# KiCad board Smart LED WS2812B Ring7.kicad_pcb (continued)
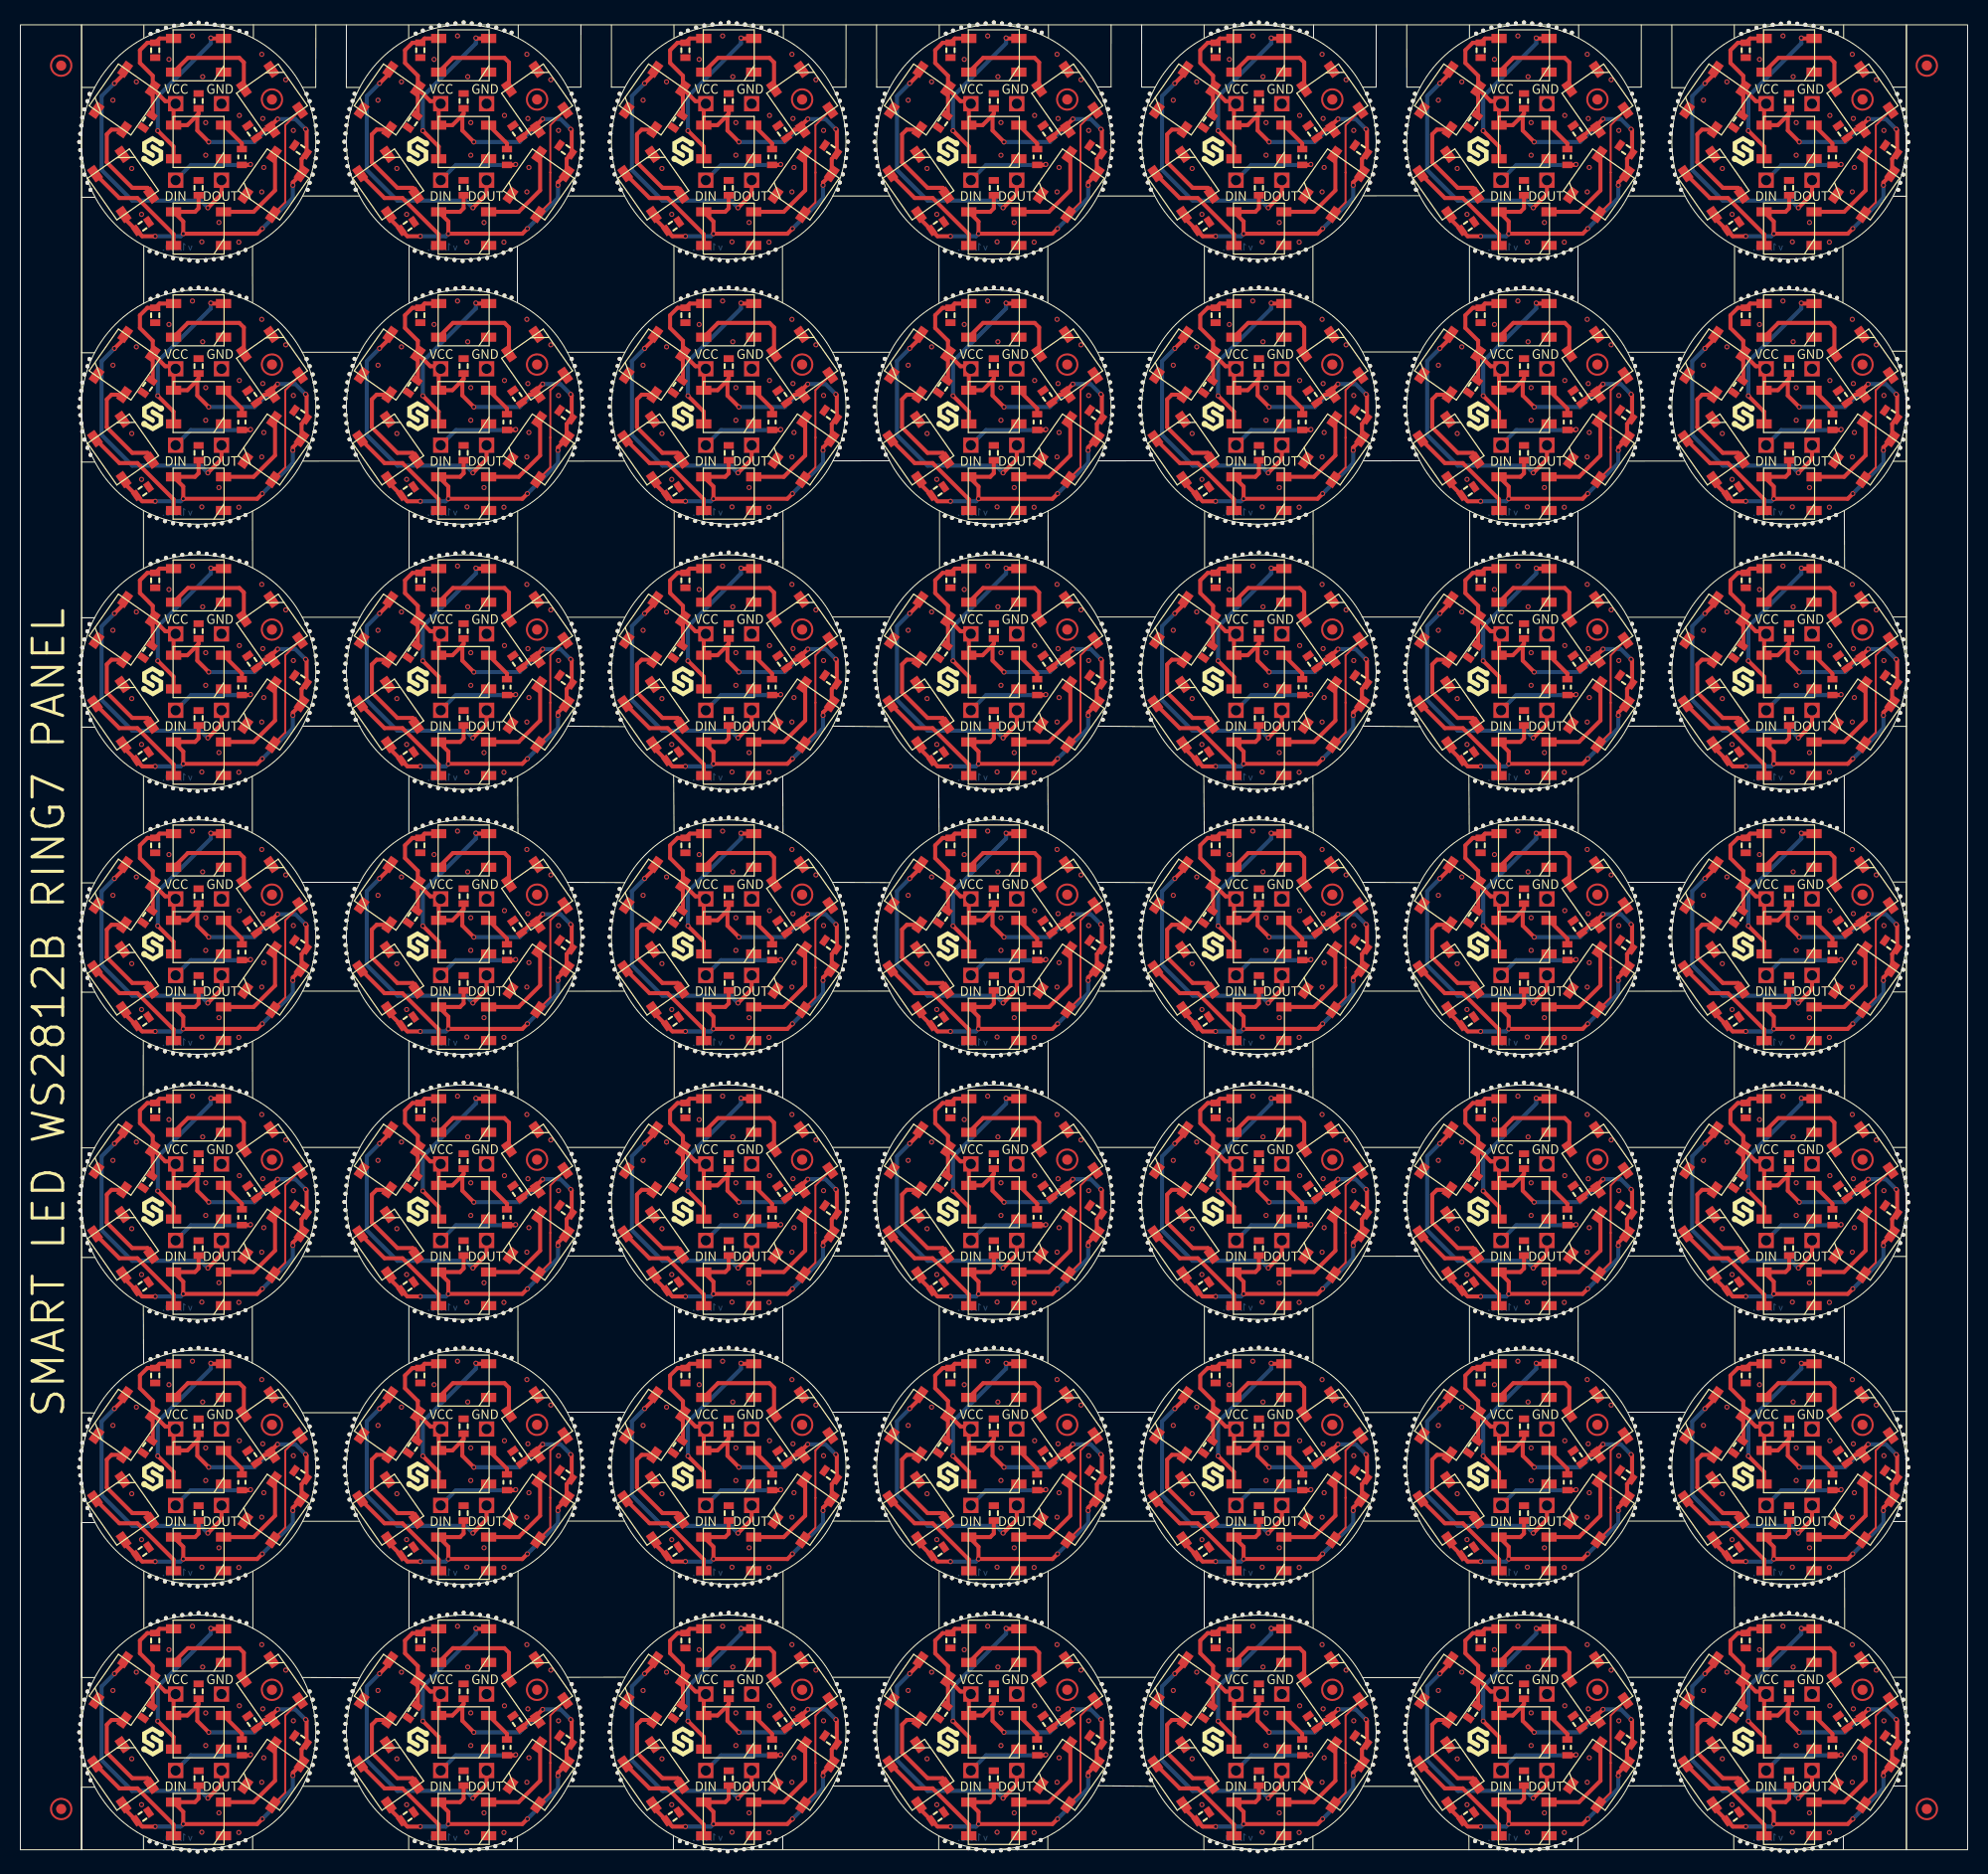
[diagram p0: board, top side]
## Placement (name value [footprint] x y rotation side) (continued)
REF**#1025  -  [HOLE_0.5mm]  119.88 101.06 90 top
REF**#1026  -  [HOLE_0.5mm]  58.08 87.16 180 top
REF**#1027  -  [HOLE_0.5mm]  117.38 26.66 270 top
REF**#1028  -  [HOLE_0.5mm]  170.18 52.33 270 top
REF**#1029  -  [HOLE_0.5mm]  20.58 156.33 270 top
REF**#1030  -  [HOLE_0.5mm]  54.38 163.56 0 top
REF**#1031  -  [HOLE_0.5mm]  136.07 87.16 180 top
REF**#1032  -  [HOLE_0.5mm]  17.38 103.83 270 top
REF**#1033  -  [HOLE_0.5mm]  32.28 118.76 180 top
REF**#1034  -  [HOLE_0.5mm]  122.18 103.96 270 top
REF**#1035  -  [HOLE_0.5mm]  173.38 51.83 270 top
REF**#1036  -  [HOLE_0.5mm]  162.78 172.23 180 top
REF**#1037  -  [HOLE_0.5mm]  185.18 89.53 0 top
REF**#1038  -  [HOLE_0.5mm]  174.28 49.13 90 top
REF**#1039  -  [HOLE_0.5mm]  125.47 178.46 90 top
REF**#1040  -  [HOLE_0.5mm]  172.57 129.94 270 top
REF**#1041  -  [HOLE_0.5mm]  18.97 78.03 270 top
REF**#1042  -  [HOLE_0.5mm]  132.97 91.16 0 top
REF**#1043  -  [HOLE_0.5mm]  84.57 111.56 180 top
REF**#1044  -  [HOLE_0.5mm]  106.38 85.56 0 top
REF**#1045  -  [HOLE_0.5mm]  66.97 104.16 270 top
REF**#1046  -  [HOLE_0.5mm]  83.97 139.96 180 top
REF**#1047  -  [HOLE_0.5mm]  135.88 10.76 180 top
REF**#1048  -  [HOLE_0.5mm]  98.57 52.36 270 top
REF**#1049  -  [HOLE_0.5mm]  161.97 113.94 180 top
REF**#1050  -  [HOLE_0.5mm]  32.88 6.86 180 top
REF**#1051  -  [HOLE_0.5mm]  6.58 59.53 180 top
REF**#1052  -  [HOLE_0.5mm]  80.88 39.96 0 top
REF**#1053  -  [HOLE_0.5mm]  68.57 -0.04 270 top
REF**#1054  -  [HOLE_0.5mm]  132.88 117.96 0 top
REF**#1055  -  [HOLE_0.5mm]  106.68 34.36 0 top
REF**#1056  -  [HOLE_0.5mm]  28.67 92.73 0 top
REF**#1057  -  [HOLE_0.5mm]  28.67 40.73 0 top
REF**#1058  -  [HOLE_0.5mm]  132.38 67.56 0 top
REF**#1059  -  [HOLE_0.5mm]  144.18 78.36 270 top
REF**#1060  -  [HOLE_0.5mm]  54.88 61.16 0 top
REF**#1061  -  [HOLE_0.5mm]  16.58 103.94 270 top
REF**#1062  -  [HOLE_0.5mm]  44.97 26.06 270 top
REF**#1063  -  [HOLE_0.5mm]  58.58 93.56 180 top
REF**#1064  -  [HOLE_0.5mm]  38.67 52.86 270 top
REF**#1065  -  [HOLE_0.5mm]  178.18 100.23 90 top
REF**#1066  -  [HOLE_0.5mm]  162.28 60.33 180 top
REF**#1067  -  [HOLE_0.5mm]  57.78 63.56 180 top
REF**#1068  -  [HOLE_0.5mm]  98.68 48.76 90 top
REF**#1069  -  [HOLE_0.5mm]  12.67 78.83 270 top
REF**#1070  -  [HOLE_0.5mm]  152.07 78.96 270 top
REF**#1071  -  [HOLE_0.5mm]  39.38 52.66 270 top
REF**#1072  -  [HOLE_0.5mm]  132.68 34.36 0 top
REF**#1073  -  [HOLE_0.5mm]  31.88 12.36 180 top
REF**#1074  -  [HOLE_0.5mm]  107.07 166.76 0 top
REF**#1075  -  [HOLE_0.5mm]  80.38 15.56 0 top
REF**#1076  -  [HOLE_0.5mm]  143.47 74.46 90 top
REF**#1077  -  [HOLE_0.5mm]  58.58 85.56 180 top
REF**#1078  -  [HOLE_0.5mm]  71.78 156.16 270 top
REF**#1079  Logo-Front-SolderedFULL-15mm  [Logo-Back-SolderedFULL-15mm]  173.91 63.79 0 top
REF**#1080  -  [HOLE_0.5mm]  100.07 0.96 270 top
REF**#1081  -  [HOLE_0.5mm]  132.88 87.16 0 top
REF**#1082  -  [HOLE_0.5mm]  41.78 0.06 270 top
REF**#1083  -  [HOLE_0.5mm]  66.18 104.36 270 top
REF**#1084  -  [HOLE_0.5mm]  149.88 22.96 90 top
REF**#1085  -  [HOLE_0.5mm]  162.07 117.94 180 top
REF**#1086  -  [HOLE_0.5mm]  32.88 32.86 180 top
REF**#1087  -  [HOLE_0.5mm]  93.78 156.06 270 top
REF**#1088  -  [HOLE_0.5mm]  158.38 15.56 0 top
REF**#1089  -  [HOLE_0.5mm]  132.97 113.96 0 top
REF**#1090  -  [Logo-Back-CE-3.5mm]  169.88 30.23 0 top
REF**#1091  -  [HOLE_0.5mm]  143.47 22.46 90 top
REF**#1092  -  [HOLE_0.5mm]  124.68 126.76 90 top
REF**#1093  -  [HOLE_0.5mm]  184.68 60.33 0 top
REF**#1094  -  [HOLE_0.5mm]  48.08 26.96 270 top
REF**#1095  -  [HOLE_0.5mm]  162.78 146.23 180 top
REF**#1096  -  [HOLE_0.5mm]  158.88 9.16 0 top
REF**#1097  -  [HOLE_0.5mm]  126.18 22.26 90 top
REF**#1098  -  [HOLE_0.5mm]  6.88 6.83 180 top
REF**#1099  -  [HOLE_0.5mm]  32.08 61.16 180 top
REF**#1100  -  [HOLE_0.5mm]  28.67 60.33 0 top
REF**#1101  -  [HOLE_0.5mm]  58.08 139.16 180 top
REF**#1102  -  [Logo-Back-CE-3.5mm]  169.88 108.23 0 top
REF**#1103  -  [HOLE_0.5mm]  44.17 129.96 270 top
REF**#1104  -  [HOLE_0.5mm]  18.97 0.03 270 top
REF**#1105  -  [HOLE_0.5mm]  40.28 22.76 90 top
REF**#1106  -  [HOLE_0.5mm]  6.08 165.13 180 top
REF**#1107  -  [HOLE_0.5mm]  133.18 115.56 0 top
REF**#1108  -  [HOLE_0.5mm]  173.47 23.23 90 top
REF**#1109  -  [Logo-Back-UKCA-3.5mm]  177.78 4.23 0 top
REF**#1110  -  [HOLE_0.5mm]  106.68 138.36 0 top
REF**#1111  -  [HOLE_0.5mm]  162.57 171.53 180 top
REF**#1112  -  [HOLE_0.5mm]  54.97 87.96 0 top
REF**#1113  -  [HOLE_0.5mm]  81.18 167.56 0 top
REF**#1114  -  [HOLE_0.5mm]  100.18 152.26 90 top
REF**#1115  -  [HOLE_0.5mm]  29.08 88.73 0 top
REF**#1116  -  [HOLE_0.5mm]  20.67 48.73 90 top
REF**#1117  -  [HOLE_0.5mm]  136.07 65.96 180 top
REF**#1118  -  [HOLE_0.5mm]  95.38 -0.14 270 top
REF**#1119  -  [HOLE_0.5mm]  149.78 0.16 270 top
REF**#1120  -  [HOLE_0.5mm]  106.88 91.96 0 top
REF**#1121  -  [HOLE_0.5mm]  148.28 49.16 90 top
REF**#1122  -  [HOLE_0.5mm]  20.58 52.33 270 top
REF**#1123  -  [HOLE_0.5mm]  90.78 178.16 90 top
REF**#1124  -  [Logo-Back-UKCA-3.5mm]  177.78 160.23 0 top
REF**#1125  -  [HOLE_0.5mm]  168.78 126.13 90 top
REF**#1126  -  [HOLE_0.5mm]  176.57 130.33 270 top
REF**#1127  -  [HOLE_0.5mm]  110.28 8.36 180 top
REF**#1128  -  [HOLE_0.5mm]  48.17 74.26 90 top
REF**#1129  -  [HOLE_0.5mm]  58.88 58.86 180 top
REF**#1130  -  [HOLE_0.5mm]  29.08 140.73 0 top
REF**#1131  -  [HOLE_0.5mm]  6.78 68.23 180 top
REF**#1132  -  [HOLE_0.5mm]  135.78 37.56 180 top
REF**#1133  -  [HOLE_0.5mm]  106.97 117.16 0 top
REF**#1134  -  [HOLE_0.5mm]  100.07 104.96 270 top
REF**#1135  -  [HOLE_0.5mm]  21.47 22.44 90 top
REF**#1136  -  [HOLE_0.5mm]  44.97 78.06 270 top
REF**#1137  -  [HOLE_0.5mm]  97.07 127.06 90 top
REF**#1138  -  [HOLE_0.5mm]  12.67 0.83 270 top
REF**#1139  -  [HOLE_0.5mm]  161.97 117.13 180 top
REF**#1140  -  [HOLE_0.5mm]  28.38 85.53 0 top
REF**#1141  -  [HOLE_0.5mm]  135.88 114.76 180 top
REF**#1142  -  [HOLE_0.5mm]  39.38 156.66 270 top
REF**#1143  -  [HOLE_0.5mm]  151.38 52.66 270 top
REF**#1144  -  [HOLE_0.5mm]  28.97 113.94 0 top
REF**#1145  -  [Logo-Back-CE-3.5mm]  143.88 108.23 0 top
REF**#1146  -  [HOLE_0.5mm]  70.18 -0.04 270 top
REF**#1147  -  [HOLE_0.5mm]  81.07 168.36 0 top
REF**#1148  -  [HOLE_0.5mm]  80.68 8.36 0 top
REF**#1149  -  [HOLE_0.5mm]  117.38 78.66 270 top
REF**#1150  -  [HOLE_0.5mm]  171.78 52.03 270 top
REF**#1151  -  [HOLE_0.5mm]  106.68 66.76 0 top
REF**#1152  -  [HOLE_0.5mm]  150.68 178.76 90 top
REF**#1153  -  [Logo-Back-CE-3.5mm]  65.88 30.23 0 top
REF**#1154  -  [HOLE_0.5mm]  142.68 130.86 270 top
REF**#1155  -  [HOLE_0.5mm]  158.97 143.16 0 top
REF**#1156  -  [HOLE_0.5mm]  109.88 140.76 180 top
REF**#1157  -  [HOLE_0.5mm]  5.97 139.94 180 top
REF**#1158  Logo-Front-SolderedFULL-15mm  [Logo-Back-SolderedFULL-15mm]  173.91 167.79 0 top
REF**#1159  -  [HOLE_0.5mm]  70.18 25.96 270 top
REF**#1160  -  [HOLE_0.5mm]  5.88 88.73 180 top
REF**#1161  -  [HOLE_0.5mm]  158.18 32.86 0 top
REF**#1162  -  [HOLE_0.5mm]  110.88 32.86 180 top
REF**#1163  -  [HOLE_0.5mm]  158.68 14.76 0 top
REF**#1164  -  [HOLE_0.5mm]  145.78 130.06 270 top
REF**#1165  -  [HOLE_0.5mm]  14.17 26.33 270 top
REF**#1166  -  [HOLE_0.5mm]  120.68 49.16 90 top
REF**#1167  -  [HOLE_0.5mm]  123.07 101.06 90 top
REF**#1168  -  [HOLE_0.5mm]  44.97 0.06 270 top
REF**#1169  -  [HOLE_0.5mm]  64.68 26.86 270 top
REF**#1170  -  [HOLE_0.5mm]  15.78 0.03 270 top
REF**#1171  -  [HOLE_0.5mm]  47.47 178.46 90 top
REF**#1172  -  [HOLE_0.5mm]  184.18 58.83 0 top
REF**#1173  -  [HOLE_0.5mm]  31.78 89.56 180 top
REF**#1174  -  [HOLE_0.5mm]  28.08 120.23 0 top
REF**#1175  -  [HOLE_0.5mm]  65.47 178.46 90 top
REF**#1176  -  [HOLE_0.5mm]  132.97 13.16 0 top
REF**#1177  -  [HOLE_0.5mm]  70.18 77.96 270 top
REF**#1178  -  [HOLE_0.5mm]  123.07 49.06 90 top
REF**#1179  -  [HOLE_0.5mm]  107.07 12.36 0 top
REF**#1180  -  [HOLE_0.5mm]  97.88 74.96 90 top
REF**#1181  -  [HOLE_0.5mm]  6.88 162.83 180 top
REF**#1182  -  [HOLE_0.5mm]  17.47 153.23 90 top
REF**#1183  -  [HOLE_0.5mm]  126.07 26.96 270 top
REF**#1184  -  [HOLE_0.5mm]  31.88 90.36 180 top
REF**#1185  -  [Logo-Back-UKCA-3.5mm]  47.78 160.23 0 top
REF**#1186  -  [HOLE_0.5mm]  74.07 26.96 270 top
REF**#1187  -  [HOLE_0.5mm]  145.78 156.06 270 top
REF**#1188  -  [HOLE_0.5mm]  185.18 37.53 0 top
REF**#1189  -  [HOLE_0.5mm]  132.97 61.96 0 top
REF**#1190  -  [HOLE_0.5mm]  146.57 77.96 270 top
REF**#1191  -  [HOLE_0.5mm]  146.57 51.96 270 top
REF**#1192  -  [HOLE_0.5mm]  176.57 78.33 270 top
REF**#1193  -  [HOLE_0.5mm]  143.47 152.46 90 top
REF**#1194  -  [Logo-Back-CE-3.5mm]  65.88 160.23 0 top
REF**#1195  -  [HOLE_0.5mm]  70.97 52.06 270 top
REF**#1196  -  [HOLE_0.5mm]  124.57 78.36 270 top
REF**#1197  -  [HOLE_0.5mm]  106.97 143.16 0 top
REF**#1198  -  [HOLE_0.5mm]  106.68 164.36 0 top
REF**#1199  -  [HOLE_0.5mm]  40.17 130.36 270 top
REF**#1200  -  [HOLE_0.5mm]  54.88 139.16 0 top
REF**#1201  -  [HOLE_0.5mm]  168.78 100.13 90 top
REF**#1202  -  [HOLE_0.5mm]  152.18 178.26 90 top
REF**#1203  -  [HOLE_0.5mm]  18.28 179.13 90 top
REF**#1204  -  [HOLE_0.5mm]  119.88 49.06 90 top
REF**#1205  -  [HOLE_0.5mm]  83.78 115.56 180 top
REF**#1206  -  [HOLE_0.5mm]  28.88 39.94 0 top
REF**#1207  -  [HOLE_0.5mm]  70.28 75.16 90 top
REF**#1208  -  [HOLE_0.5mm]  162.78 68.23 180 top
REF**#1209  Logo-Front-SolderedFULL-15mm  [Logo-Back-SolderedFULL-15mm]  121.91 11.79 0 top
REF**#1210  -  [HOLE_0.5mm]  145.78 0.06 270 top
REF**#1211  -  [HOLE_0.5mm]  6.58 7.53 180 top
REF**#1212  -  [HOLE_0.5mm]  185.07 90.33 0 top
REF**#1213  -  [HOLE_0.5mm]  67.78 104.06 270 top
REF**#1214  -  [HOLE_0.5mm]  124.57 26.36 270 top
REF**#1215  -  [HOLE_0.5mm]  96.18 -0.04 270 top
REF**#1216  -  [HOLE_0.5mm]  110.78 146.26 180 top
REF**#1217  -  [HOLE_0.5mm]  136.28 164.36 180 top
REF**#1218  -  [HOLE_0.5mm]  32.08 139.16 180 top
REF**#1219  -  [HOLE_0.5mm]  150.57 78.36 270 top
REF**#1220  -  [HOLE_0.5mm]  133.07 142.36 0 top
REF**#1221  -  [HOLE_0.5mm]  6.08 39.94 180 top
REF**#1222  -  [HOLE_0.5mm]  28.88 117.94 0 top
REF**#1223  -  [HOLE_0.5mm]  135.88 12.36 180 top
REF**#1224  -  [HOLE_0.5mm]  68.68 101.16 90 top
REF**#1225  -  [HOLE_0.5mm]  174.97 0.03 270 top
REF**#1226  -  [HOLE_0.5mm]  65.38 0.66 270 top
REF**#1227  -  [HOLE_0.5mm]  93.78 78.06 270 top
REF**#1228  -  [HOLE_0.5mm]  158.18 84.86 0 top
REF**#1229  -  [HOLE_0.5mm]  136.07 165.16 180 top
REF**#1230  -  [HOLE_0.5mm]  66.97 52.16 270 top
REF**#1231  -  [HOLE_0.5mm]  46.58 52.36 270 top
REF**#1232  -  [HOLE_0.5mm]  110.07 117.96 180 top
REF**#1233  -  [HOLE_0.5mm]  110.57 119.56 180 top
REF**#1234  -  [HOLE_0.5mm]  84.28 60.36 180 top
REF**#1235  -  [HOLE_0.5mm]  106.88 143.96 0 top
REF**#1236  -  [HOLE_0.5mm]  150.57 104.36 270 top
REF**#1237  -  [HOLE_0.5mm]  64.78 48.16 90 top
REF**#1238  -  [HOLE_0.5mm]  20.58 78.33 270 top
REF**#1239  -  [HOLE_0.5mm]  184.97 65.13 0 top
REF**#1240  -  [HOLE_0.5mm]  148.97 0.06 270 top
REF**#1241  -  [HOLE_0.5mm]  110.57 171.56 180 top
REF**#1242  -  [HOLE_0.5mm]  29.08 166.73 0 top
REF**#1243  -  [HOLE_0.5mm]  169.47 178.44 90 top
REF**#1244  -  [HOLE_0.5mm]  32.28 92.76 180 top
REF**#1245  -  [HOLE_0.5mm]  43.38 155.86 270 top
REF**#1246  -  [HOLE_0.5mm]  119.88 127.06 90 top
REF**#1247  -  [HOLE_0.5mm]  81.07 10.76 0 top
REF**#1248  -  [HOLE_0.5mm]  6.08 35.13 180 top
REF**#1249  -  [HOLE_0.5mm]  57.97 139.96 180 top
REF**#1250  -  [HOLE_0.5mm]  162.28 170.73 180 top
REF**#1251  -  [Logo-Back-CE-3.5mm]  13.88 4.23 0 top
REF**#1252  -  [HOLE_0.5mm]  31.97 13.16 180 top
REF**#1253  -  [HOLE_0.5mm]  98.68 178.76 90 top
REF**#1254  -  [HOLE_0.5mm]  185.07 36.73 0 top
REF**#1255  -  [HOLE_0.5mm]  122.28 23.16 90 top
REF**#1256  -  [HOLE_0.5mm]  6.08 87.13 180 top
REF**#1257  -  [HOLE_0.5mm]  132.97 143.16 0 top
REF**#1258  -  [HOLE_0.5mm]  135.97 139.96 180 top
REF**#1259  -  [HOLE_0.5mm]  120.57 129.96 270 top
REF**#1260  -  [HOLE_0.5mm]  184.07 42.23 0 top
REF**#1261  -  [HOLE_0.5mm]  94.57 155.96 270 top
REF**#1262  -  [HOLE_0.5mm]  184.68 14.73 0 top
REF**#1263  -  [HOLE_0.5mm]  184.97 143.13 0 top
REF**#1264  -  [Logo-Back-UKCA-3.5mm]  151.78 160.23 0 top
REF**#1265  -  [HOLE_0.5mm]  126.18 48.26 90 top
REF**#1266  -  [Logo-Back-UKCA-3.5mm]  151.78 134.23 0 top
REF**#1267  -  [HOLE_0.5mm]  132.88 9.16 0 top
REF**#1268  -  [HOLE_0.5mm]  126.18 178.26 90 top
REF**#1269  -  [HOLE_0.5mm]  174.97 78.03 270 top
REF**#1270  -  [HOLE_0.5mm]  119.07 22.96 90 top
REF**#1271  -  [HOLE_0.5mm]  84.57 41.56 180 top
REF**#1272  -  [HOLE_0.5mm]  32.58 137.56 180 top
REF**#1273  -  [HOLE_0.5mm]  99.38 0.66 270 top
REF**#1274  -  [HOLE_0.5mm]  125.38 156.66 270 top
REF**#1275  -  [HOLE_0.5mm]  81.07 62.76 0 top
REF**#1276  -  [HOLE_0.5mm]  28.17 162.83 0 top
REF**#1277  -  [HOLE_0.5mm]  45.08 75.06 90 top
REF**#1278  -  [HOLE_0.5mm]  6.28 112.33 180 top
REF**#1279  -  [HOLE_0.5mm]  58.78 42.26 180 top
REF**#1280  -  [Logo-Back-CE-3.5mm]  39.88 4.23 0 top
REF**#1281  -  [HOLE_0.5mm]  149.07 23.06 90 top
REF**#1282  -  [HOLE_0.5mm]  96.28 127.16 90 top
REF**#1283  -  [HOLE_0.5mm]  19.88 22.94 90 top
REF**#1284  -  [HOLE_0.5mm]  123.88 74.96 90 top
REF**#1285  -  [HOLE_0.5mm]  96.18 25.96 270 top
REF**#1286  -  [Logo-Back-UKCA-3.5mm]  99.78 108.23 0 top
REF**#1287  -  [HOLE_0.5mm]  90.78 74.16 90 top
REF**#1288  -  [HOLE_0.5mm]  148.18 25.96 270 top
REF**#1289  -  [HOLE_0.5mm]  147.47 23.26 90 top
REF**#1290  -  [HOLE_0.5mm]  120.57 51.96 270 top
REF**#1291  -  [HOLE_0.5mm]  40.97 26.16 270 top
REF**#1292  -  [HOLE_0.5mm]  161.78 167.53 180 top
REF**#1293  -  [HOLE_0.5mm]  80.38 33.56 0 top
REF**#1294  -  [HOLE_0.5mm]  161.88 168.33 180 top
REF**#1295  -  [HOLE_0.5mm]  116.78 48.16 90 top
REF**#1296  -  [HOLE_0.5mm]  116.68 26.86 270 top
REF**#1297  -  [HOLE_0.5mm]  16.58 129.94 270 top
REF**#1298  -  [HOLE_0.5mm]  54.88 169.96 0 top
REF**#1299  -  [HOLE_0.5mm]  159.07 10.76 0 top
REF**#1300  -  [HOLE_0.5mm]  95.38 103.86 270 top
REF**#1301  -  [HOLE_0.5mm]  158.07 68.26 0 top
REF**#1302  -  [HOLE_0.5mm]  58.58 33.56 180 top
REF**#1303  -  [Logo-Back-CE-3.5mm]  65.88 108.23 0 top
REF**#1304  -  [HOLE_0.5mm]  6.08 91.94 180 top
REF**#1305  -  [HOLE_0.5mm]  71.07 153.06 90 top
REF**#1306  -  [HOLE_0.5mm]  6.08 143.94 180 top
REF**#1307  -  [HOLE_0.5mm]  142.78 152.16 90 top
REF**#1308  -  [HOLE_0.5mm]  71.88 48.96 90 top
REF**#1309  -  [HOLE_0.5mm]  6.28 40.73 180 top
REF**#1310  -  [HOLE_0.5mm]  97.07 49.06 90 top
REF**#1311  -  [HOLE_0.5mm]  144.97 156.16 270 top
REF**#1312  -  [HOLE_0.5mm]  95.38 77.86 270 top
REF**#1313  -  [HOLE_0.5mm]  106.18 84.86 0 top
REF**#1314  -  [HOLE_0.5mm]  84.07 113.16 180 top
REF**#1315  -  [HOLE_0.5mm]  97.88 22.96 90 top
REF**#1316  -  [HOLE_0.5mm]  32.78 120.26 180 top
REF**#1317  -  [HOLE_0.5mm]  146.68 75.16 90 top
REF**#1318  -  [HOLE_0.5mm]  132.68 14.76 0 top
REF**#1319  -  [HOLE_0.5mm]  171.78 104.03 270 top
REF**#1320  -  [HOLE_0.5mm]  147.47 49.26 90 top
REF**#1321  -  [HOLE_0.5mm]  31.78 115.56 180 top
REF**#1322  -  [HOLE_0.5mm]  54.88 39.96 0 top
REF**#1323  -  [HOLE_0.5mm]  73.47 152.46 90 top
REF**#1324  -  [HOLE_0.5mm]  158.07 42.26 0 top
REF**#1325  -  [HOLE_0.5mm]  145.07 126.96 90 top
REF**#1326  -  [HOLE_0.5mm]  136.78 42.26 180 top
REF**#1327  -  [HOLE_0.5mm]  132.97 35.96 0 top
REF**#1328  -  [HOLE_0.5mm]  177.47 48.44 90 top
REF**#1329  -  [HOLE_0.5mm]  64.68 78.86 270 top
REF**#1330  -  [HOLE_0.5mm]  148.18 155.96 270 top
REF**#1331  -  [HOLE_0.5mm]  158.68 112.36 0 top
REF**#1332  -  [HOLE_0.5mm]  15.78 26.03 270 top
REF**#1333  -  [HOLE_0.5mm]  175.78 156.13 270 top
REF**#1334  -  [HOLE_0.5mm]  161.97 35.94 180 top
REF**#1335  -  [HOLE_0.5mm]  58.78 16.26 180 top
REF**#1336  -  [HOLE_0.5mm]  124.68 178.76 90 top
REF**#1337  -  [HOLE_0.5mm]  83.88 114.76 180 top
REF**#1338  -  [HOLE_0.5mm]  18.28 153.13 90 top
REF**#1339  -  [HOLE_0.5mm]  117.38 0.66 270 top
REF**#1340  -  [HOLE_0.5mm]  106.68 14.76 0 top
REF**#1341  -  [HOLE_0.5mm]  84.78 120.26 180 top
REF**#1342  -  [HOLE_0.5mm]  5.78 37.53 180 top
REF**#1343  -  [HOLE_0.5mm]  32.78 172.26 180 top
REF**#1344  -  [HOLE_0.5mm]  5.97 91.13 180 top
REF**#1345  -  [HOLE_0.5mm]  12.67 52.83 270 top
REF**#1346  -  [HOLE_0.5mm]  132.68 144.76 0 top
REF**#1347  -  [HOLE_0.5mm]  84.88 136.86 180 top
REF**#1348  -  [HOLE_0.5mm]  81.07 12.36 0 top
REF**#1349  -  [HOLE_0.5mm]  84.28 112.36 180 top
REF**#1350  -  [HOLE_0.5mm]  18.17 25.94 270 top
REF**#1351  -  [HOLE_0.5mm]  120.68 75.16 90 top
REF**#1352  -  [HOLE_0.5mm]  45.88 48.96 90 top
REF**#1353  -  [HOLE_0.5mm]  12.67 156.83 270 top
REF**#1354  -  [HOLE_0.5mm]  106.88 87.16 0 top
REF**#1355  -  [HOLE_0.5mm]  116.68 130.86 270 top
REF**#1356  -  [HOLE_0.5mm]  123.07 153.06 90 top
REF**#1357  Logo-Front-SolderedFULL-15mm  [Logo-Back-SolderedFULL-15mm]  147.91 141.79 0 top
REF**#1358  -  [HOLE_0.5mm]  136.28 92.76 180 top
REF**#1359  -  [HOLE_0.5mm]  100.07 52.96 270 top
REF**#1360  -  [HOLE_0.5mm]  184.38 119.53 0 top
REF**#1361  -  [Logo-Back-UKCA-3.5mm]  73.78 4.23 0 top
REF**#1362  -  [HOLE_0.5mm]  184.07 94.23 0 top
REF**#1363  -  [HOLE_0.5mm]  116.78 126.16 90 top
REF**#1364  -  [HOLE_0.5mm]  125.47 126.46 90 top
REF**#1365  HOLE_0.5mm  [HOLE_0.5mm#2]  161.88 38.36 180 top
REF**#1366  -  [HOLE_0.5mm]  15.88 75.03 90 top
REF**#1367  -  [HOLE_0.5mm]  57.78 115.56 180 top
REF**#1368  -  [HOLE_0.5mm]  145.07 152.96 90 top
REF**#1369  -  [HOLE_0.5mm]  158.68 170.76 0 top
REF**#1370  -  [HOLE_0.5mm]  80.68 34.36 0 top
REF**#1371  -  [HOLE_0.5mm]  162.88 58.83 180 top
REF**#1372  -  [HOLE_0.5mm]  151.47 48.46 90 top
REF**#1373  -  [HOLE_0.5mm]  84.57 85.56 180 top
REF**#1374  -  [HOLE_0.5mm]  58.78 120.26 180 top
REF**#1375  -  [HOLE_0.5mm]  136.07 91.96 180 top
REF**#1376  -  [Logo-Back-CE-3.5mm]  13.88 160.23 0 top
REF**#1377  -  [Logo-Back-UKCA-3.5mm]  177.78 56.23 0 top
REF**#1378  -  [Logo-Back-CE-3.5mm]  13.88 108.23 0 top
REF**#1379  -  [HOLE_0.5mm]  41.08 22.96 90 top
REF**#1380  -  [HOLE_0.5mm]  84.07 87.16 180 top
REF**#1381  -  [HOLE_0.5mm]  95.47 49.26 90 top
REF**#1382  -  [HOLE_0.5mm]  47.47 152.46 90 top
REF**#1383  -  [HOLE_0.5mm]  84.57 163.56 180 top
REF**#1384  -  [HOLE_0.5mm]  28.97 87.94 0 top
REF**#1385  -  [HOLE_0.5mm]  5.97 169.13 180 top
REF**#1386  -  [HOLE_0.5mm]  29.08 12.33 0 top
REF**#1387  -  [HOLE_0.5mm]  12.78 152.13 90 top
REF**#1388  -  [HOLE_0.5mm]  184.68 86.33 0 top
REF**#1389  -  [HOLE_0.5mm]  132.88 39.96 0 top
REF**#1390  -  [HOLE_0.5mm]  109.97 117.16 180 top
REF**#1391  -  [HOLE_0.5mm]  29.08 116.33 0 top
REF**#1392  -  [HOLE_0.5mm]  126.18 126.26 90 top
REF**#1393  -  [HOLE_0.5mm]  46.58 0.36 270 top
REF**#1394  -  [HOLE_0.5mm]  90.68 26.86 270 top
REF**#1395  -  [HOLE_0.5mm]  54.67 92.76 0 top
REF**#1396  -  [HOLE_0.5mm]  58.58 119.56 180 top
REF**#1397  -  [HOLE_0.5mm]  21.47 48.44 90 top
REF**#1398  -  [HOLE_0.5mm]  90.78 152.16 90 top
REF**#1399  -  [HOLE_0.5mm]  28.17 110.83 0 top
REF**#1400  -  [HOLE_0.5mm]  84.88 84.86 180 top
REF**#1401  -  [HOLE_0.5mm]  133.07 140.76 0 top
REF**#1402  -  [Logo-Back-CE-3.5mm]  143.88 30.23 0 top
REF**#1403  -  [HOLE_0.5mm]  151.47 126.46 90 top
REF**#1404  -  [HOLE_0.5mm]  162.57 59.53 180 top
REF**#1405  -  [HOLE_0.5mm]  94.68 127.16 90 top
REF**#1406  -  [HOLE_0.5mm]  162.07 165.13 180 top
REF**#1407  -  [HOLE_0.5mm]  106.07 16.26 0 top
REF**#1408  -  [HOLE_0.5mm]  58.08 91.96 180 top
REF**#1409  -  [HOLE_0.5mm]  107.07 168.36 0 top
REF**#1410  -  [HOLE_0.5mm]  84.07 165.16 180 top
REF**#1411  -  [HOLE_0.5mm]  170.18 78.33 270 top
REF**#1412  -  [HOLE_0.5mm]  125.38 104.66 270 top
REF**#1413  -  [HOLE_0.5mm]  136.07 13.96 180 top
REF**#1414  -  [HOLE_0.5mm]  123.78 52.16 270 top
REF**#1415  -  [HOLE_0.5mm]  44.28 75.16 90 top
REF**#1416  -  [HOLE_0.5mm]  109.97 143.16 180 top
REF**#1417  -  [HOLE_0.5mm]  117.38 52.66 270 top
REF**#1418  -  [HOLE_0.5mm]  118.18 0.36 270 top
REF**#1419  -  [Logo-Back-UKCA-3.5mm]  73.78 134.23 0 top
REF**#1420  -  [HOLE_0.5mm]  90.68 0.86 270 top
REF**#1421  -  [HOLE_0.5mm]  144.18 104.36 270 top
REF**#1422  -  [HOLE_0.5mm]  106.68 92.76 0 top
REF**#1423  -  [HOLE_0.5mm]  106.18 58.86 0 top
REF**#1424  -  [HOLE_0.5mm]  109.78 141.56 180 top
REF**#1425  -  [HOLE_0.5mm]  175.88 74.94 90 top
REF**#1426  -  [Logo-Back-CE-3.5mm]  117.88 160.23 0 top
REF**#1427  -  [HOLE_0.5mm]  54.88 9.16 0 top
REF**#1428  -  [HOLE_0.5mm]  158.88 113.16 0 top
REF**#1429  -  [HOLE_0.5mm]  177.38 78.63 270 top
REF**#1430  -  [HOLE_0.5mm]  132.68 8.36 0 top
REF**#1431  -  [HOLE_0.5mm]  184.97 139.94 0 top
REF**#1432  -  [HOLE_0.5mm]  116.78 22.16 90 top
REF**#1433  -  [HOLE_0.5mm]  32.58 7.56 180 top
REF**#1434  -  [HOLE_0.5mm]  80.68 92.76 0 top
REF**#1435  -  [HOLE_0.5mm]  28.38 137.53 0 top
REF**#1436  -  [HOLE_0.5mm]  31.78 63.56 180 top
REF**#1437  -  [HOLE_0.5mm]  175.88 100.94 90 top
REF**#1438  -  [HOLE_0.5mm]  84.07 61.16 180 top
REF**#1439  -  [HOLE_0.5mm]  159.18 89.56 0 top
REF**#1440  -  [HOLE_0.5mm]  28.67 66.73 0 top
REF**#1441  -  [HOLE_0.5mm]  109.97 113.96 180 top
REF**#1442  -  [HOLE_0.5mm]  80.38 59.56 0 top
REF**#1443  -  [HOLE_0.5mm]  161.78 115.53 180 top
REF**#1444  -  [HOLE_0.5mm]  176.68 48.73 90 top
REF**#1445  -  [HOLE_0.5mm]  14.97 52.13 270 top
REF**#1446  -  [HOLE_0.5mm]  98.68 74.76 90 top
REF**#1447  -  [HOLE_0.5mm]  152.18 48.26 90 top
REF**#1448  -  [HOLE_0.5mm]  21.38 26.63 270 top
REF**#1449  -  [HOLE_0.5mm]  149.07 49.06 90 top
REF**#1450  -  [HOLE_0.5mm]  39.38 104.66 270 top
REF**#1451  -  [HOLE_0.5mm]  66.28 178.76 90 top
REF**#1452  -  [HOLE_0.5mm]  150.57 0.36 270 top
REF**#1453  -  [HOLE_0.5mm]  147.38 -0.14 270 top
REF**#1454  -  [HOLE_0.5mm]  146.68 127.16 90 top
REF**#1455  -  [HOLE_0.5mm]  162.28 164.33 180 top
REF**#1456  -  [HOLE_0.5mm]  74.07 52.96 270 top
REF**#1457  -  [HOLE_0.5mm]  28.97 39.13 0 top
REF**#1458  -  [Logo-Back-UKCA-3.5mm]  177.78 134.23 0 top
REF**#1459  -  [HOLE_0.5mm]  57.88 62.76 180 top
REF**#1460  -  [HOLE_0.5mm]  54.88 35.16 0 top
REF**#1461  -  [HOLE_0.5mm]  145.07 100.96 90 top
REF**#1462  -  [HOLE_0.5mm]  147.38 51.86 270 top
REF**#1463  -  [HOLE_0.5mm]  136.07 9.16 180 top
REF**#1464  -  [Logo-Back-CE-3.5mm]  143.88 4.23 0 top
REF**#1465  -  [HOLE_0.5mm]  125.47 48.46 90 top
REF**#1466  -  [HOLE_0.5mm]  121.47 127.26 90 top
REF**#1467  -  [HOLE_0.5mm]  132.68 164.36 0 top
REF**#1468  -  [HOLE_0.5mm]  142.68 0.86 270 top
REF**#1469  -  [HOLE_0.5mm]  15.88 153.03 90 top
REF**#1470  -  [HOLE_0.5mm]  44.17 103.96 270 top
REF**#1471  -  [HOLE_0.5mm]  109.88 142.36 180 top
REF**#1472  -  [HOLE_0.5mm]  106.68 112.36 0 top
REF**#1473  -  [HOLE_0.5mm]  121.38 25.86 270 top
REF**#1474  -  [HOLE_0.5mm]  169.38 78.63 270 top
REF**#1475  -  [HOLE_0.5mm]  32.58 67.56 180 top
REF**#1476  -  [HOLE_0.5mm]  81.18 89.56 0 top
REF**#1477  -  [HOLE_0.5mm]  121.38 155.86 270 top
REF**#1478  -  [HOLE_0.5mm]  106.97 87.96 0 top
REF**#1479  -  [HOLE_0.5mm]  5.88 114.73 180 top
REF**#1480  -  [HOLE_0.5mm]  83.78 167.56 180 top
REF**#1481  -  [HOLE_0.5mm]  18.28 49.13 90 top
REF**#1482  -  [HOLE_0.5mm]  44.17 -0.04 270 top
REF**#1483  -  [HOLE_0.5mm]  54.38 7.56 0 top
REF**#1484  -  [HOLE_0.5mm]  162.78 16.23 180 top
REF**#1485  -  [HOLE_0.5mm]  158.97 165.96 0 top
REF**#1486  -  [HOLE_0.5mm]  171.88 153.03 90 top
REF**#1487  -  [HOLE_0.5mm]  178.07 130.94 270 top
REF**#1488  -  [HOLE_0.5mm]  57.97 39.16 180 top
REF**#1489  -  [HOLE_0.5mm]  6.28 170.73 180 top
REF**#1490  -  [HOLE_0.5mm]  67.88 101.06 90 top
REF**#1491  -  [HOLE_0.5mm]  84.78 94.26 180 top
REF**#1492  -  [HOLE_0.5mm]  45.08 179.06 90 top
REF**#1493  -  [HOLE_0.5mm]  71.78 130.16 270 top
REF**#1494  -  [HOLE_0.5mm]  32.78 68.26 180 top
REF**#1495  -  [HOLE_0.5mm]  6.28 118.73 180 top
REF**#1496  -  [HOLE_0.5mm]  122.97 26.06 270 top
REF**#1497  -  [HOLE_0.5mm]  136.07 169.96 180 top
REF**#1498  Logo-Front-SolderedFULL-15mm  [Logo-Back-SolderedFULL-15mm]  43.91 63.79 0 top
REF**#1499  -  [HOLE_0.5mm]  174.18 103.94 270 top
REF**#1500  -  [HOLE_0.5mm]  136.78 172.26 180 top
REF**#1501  -  [HOLE_0.5mm]  31.88 142.36 180 top
REF**#1502  -  [HOLE_0.5mm]  18.97 26.03 270 top
REF**#1503  -  [HOLE_0.5mm]  84.78 16.26 180 top
REF**#1504  -  [HOLE_0.5mm]  81.18 115.56 0 top
REF**#1505  -  [HOLE_0.5mm]  81.07 166.76 0 top
REF**#1506  -  [HOLE_0.5mm]  136.78 120.26 180 top
REF**#1507  -  [HOLE_0.5mm]  39.38 26.66 270 top
REF**#1508  -  [HOLE_0.5mm]  107.18 115.56 0 top
REF**#1509  -  [HOLE_0.5mm]  132.88 113.16 0 top
REF**#1510  -  [HOLE_0.5mm]  116.78 178.16 90 top
REF**#1511  -  [HOLE_0.5mm]  5.97 39.13 180 top
REF**#1512  -  [HOLE_0.5mm]  177.38 130.63 270 top
REF**#1513  -  [HOLE_0.5mm]  132.88 165.16 0 top
REF**#1514  -  [HOLE_0.5mm]  80.18 32.86 0 top
REF**#1515  -  [HOLE_0.5mm]  73.38 52.66 270 top
REF**#1516  -  [HOLE_0.5mm]  184.18 162.83 0 top
REF**#1517  -  [HOLE_0.5mm]  19.88 178.94 90 top
REF**#1518  -  [HOLE_0.5mm]  106.07 68.26 0 top
REF**#1519  -  [HOLE_0.5mm]  136.07 61.16 180 top
REF**#1520  -  [HOLE_0.5mm]  20.67 126.73 90 top
REF**#1521  -  [HOLE_0.5mm]  64.78 100.16 90 top
REF**#1522  -  [HOLE_0.5mm]  28.97 35.94 0 top
REF**#1523  -  [HOLE_0.5mm]  81.07 36.76 0 top